# KiCad board data-center-ddr5-tester.kicad_pcb (continued)
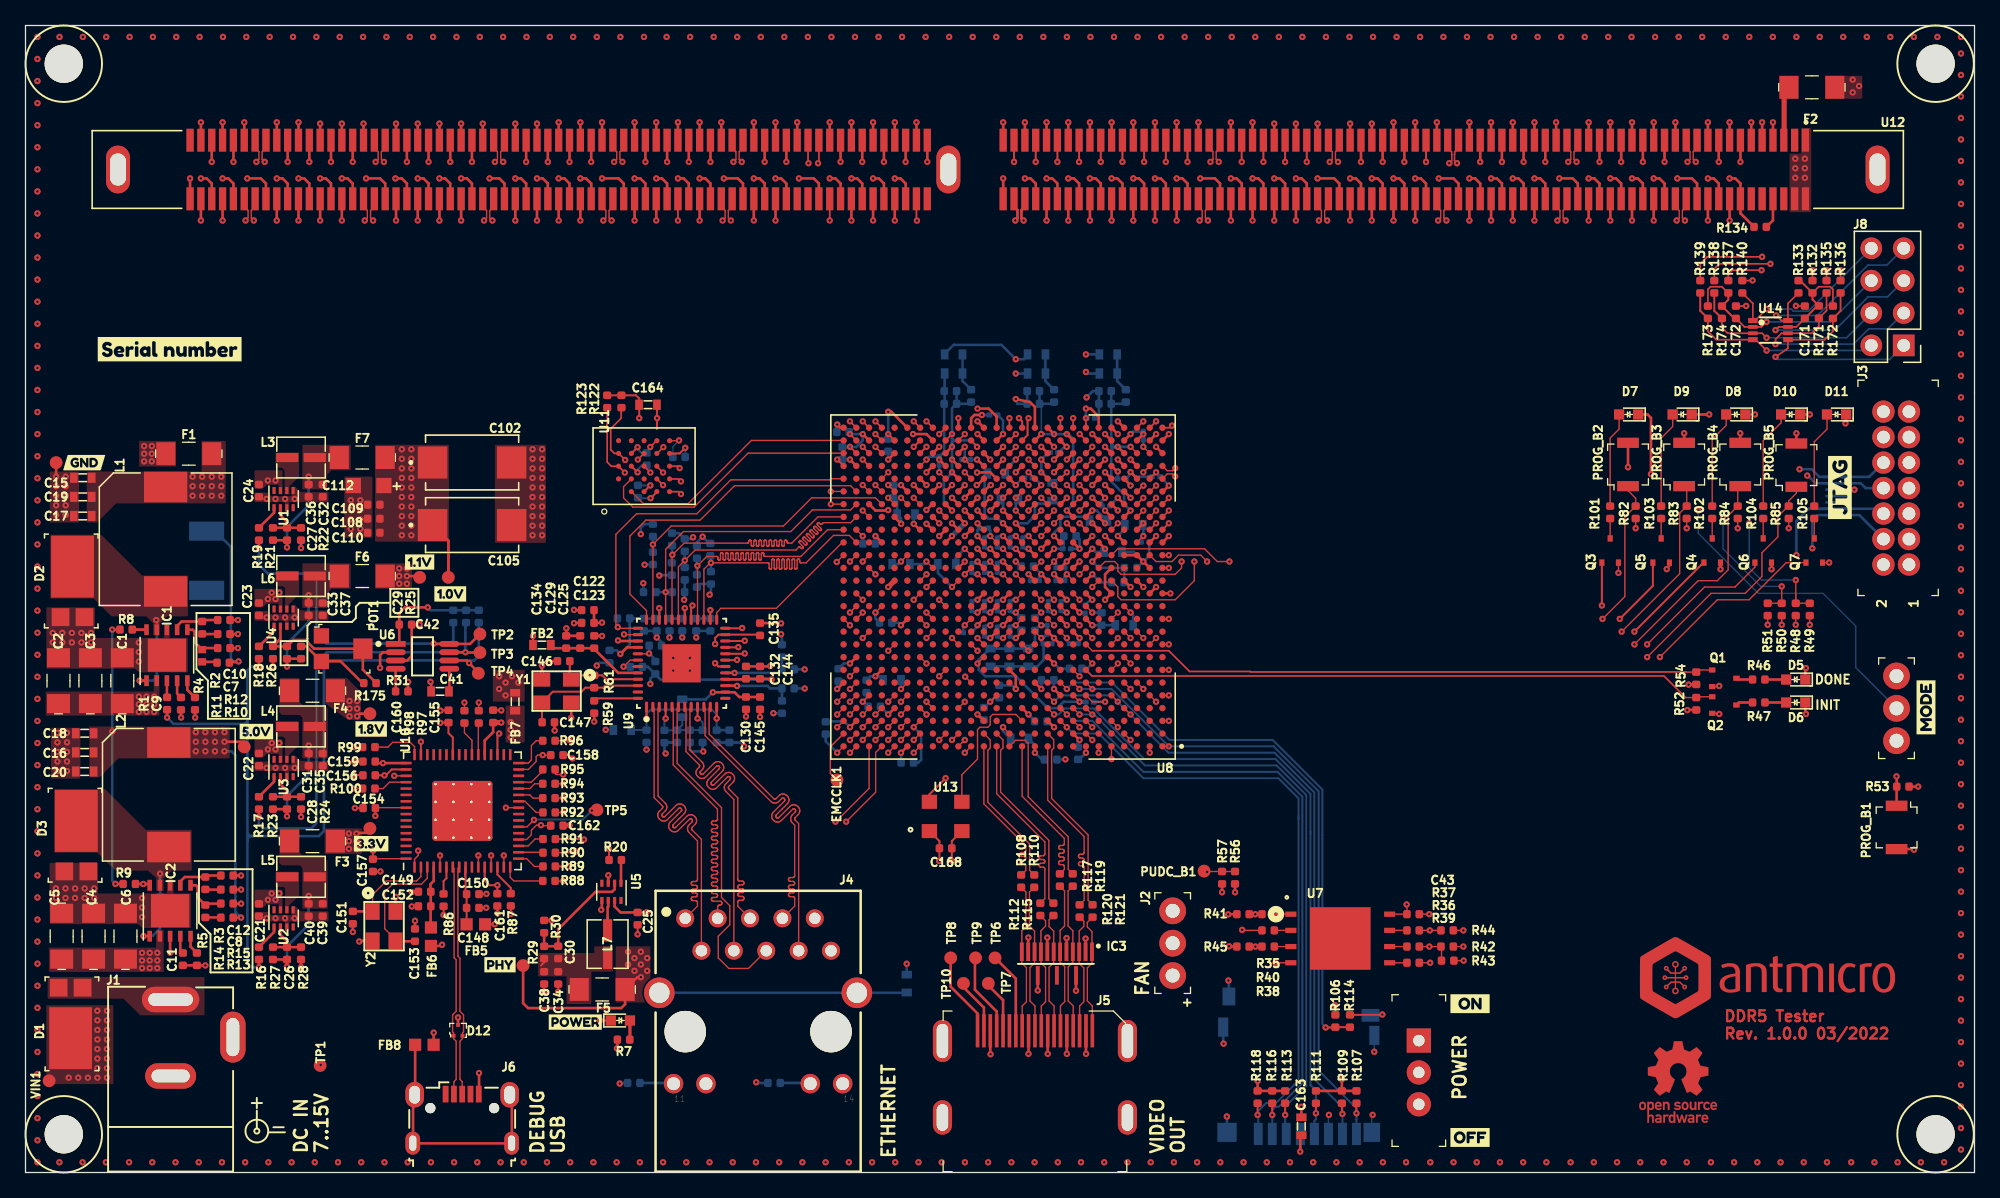
[diagram p0: board, top side]
## Routing (per net, layer and track width the routed paths; a pad name or vN(x,y) marks a point on that pad's centre or on a via; arc(x,y) is an arc through that point) (continued)
DQ31_B: length 77.3
  Top w0.2: U12.287 v1(13.75,74.7) ; U8.V16 v1(73.64,49.94)
  In7.Cu w0.127: v1(13.75,74.7) 14.22,74.22 14.24,74.2 14.26,74.18 14.26,74.15 14.26,74.12 14.26,74.09 14.24,74.07 14.22,74.05 14.12,73.94 14.1,73.92 14.09,73.9 14.09,73.87 14.09,73.84 14.09,73.81 14.1,73.79 14.12,73.76 14.14,73.75 14.17,73.73 14.2,73.73 14.23,73.73 14.25,73.73 14.28,73.75 14.3,73.76 14.4,73.87 14.43,73.88 14.45,73.9 14.48,73.9 14.51,73.9 14.54,73.9 14.56,73.88 14.58,73.87 14.6,73.84 14.61,73.82 14.62,73.79 14.62,73.76 14.61,73.73 14.6,73.71 14.58,73.69 14.48,73.58 14.46,73.56 14.45,73.54 14.45,73.51 14.45,73.48 14.45,73.45 14.46,73.43 14.48,73.4 14.5,73.39 14.53,73.37 14.56,73.37 14.59,73.37 14.61,73.37 14.64,73.39 14.66,73.4 14.76,73.51 14.79,73.52 14.81,73.54 14.84,73.54 14.87,73.54 14.9,73.54 14.92,73.52 14.94,73.51 14.96,73.48 14.97,73.46 14.98,73.43 14.98,73.4 14.97,73.37 14.96,73.35 14.94,73.33 14.84,73.22 14.82,73.2 14.81,73.18 14.8,73.15 14.8,73.12 14.81,73.09 14.82,73.07 14.84,73.04 14.86,73.03 14.89,73.01 14.92,73.01 14.95,73.01 14.97,73.01 15,73.03 15.02,73.04 15.12,73.15 15.15,73.17 15.17,73.18 15.2,73.18 15.23,73.18 15.25,73.18 15.28,73.17 15.3,73.15 15.32,73.13 15.33,73.1 15.34,73.07 15.34,73.04 15.33,73.02 15.32,72.99 15.3,72.97 15.2,72.87 15.18,72.84 15.17,72.82 15.16,72.79 15.16,72.76 15.17,72.73 15.18,72.71 15.2,72.69 15.22,72.67 15.25,72.66 15.28,72.65 15.3,72.65 15.33,72.66 15.36,72.67 15.38,72.69 15.48,72.79 15.5,72.81 15.53,72.82 15.56,72.82 15.59,72.82 15.61,72.82 15.64,72.81 15.66,72.79 15.68,72.77 15.69,72.74 15.7,72.71 15.7,72.68 15.69,72.66 15.68,72.63 15.66,72.61 15.56,72.51 15.54,72.48 15.53,72.46 15.52,72.43 15.52,72.4 15.53,72.37 15.54,72.35 15.56,72.33 15.58,72.31 15.61,72.3 15.64,72.29 15.66,72.29 15.69,72.3 15.72,72.31 15.74,72.33 15.84,72.43 15.86,72.45 15.89,72.46 15.92,72.47 15.95,72.47 15.97,72.46 16,72.45 16.02,72.43 16.04,72.41 16.05,72.38 16.06,72.35 16.06,72.32 16.05,72.3 16.04,72.27 16.02,72.25 15.92,72.15 15.9,72.12 15.89,72.1 15.88,72.07 15.88,72.04 15.89,72.02 15.9,71.99 15.92,71.97 15.94,71.95 15.97,71.94 15.99,71.93 16.02,71.93 16.05,71.94 16.08,71.95 16.1,71.97 16.2,72.07 16.22,72.09 16.25,72.1 16.28,72.11 16.3,72.11 16.33,72.1 16.36,72.09 16.38,72.07 28.51,59.94 50.39,59.94 61.89,48.44 72.14,48.44 v1(73.64,49.94)
DQS0_A_N: length 77.6
  Top w0.1: v4(130.3,79.3) 130.5,79.5 130.5,80.09 130.2,80.38 U12.12
  Top w0.2: U8.W5 v4(84.64,51.94)
  In2.Cu w0.102: v4(84.64,51.94) 85.02,51.55 85.36,51.55 85.55,51.36 86.55,51.36 87.11,50.8 87.11,49.3 87.55,48.86 113.95,48.86 120.55,55.45 120.56,55.48 120.58,55.5 120.58,55.53 120.58,55.56 120.58,55.59 120.56,55.61 120.55,55.63 120.51,55.66 120.5,55.69 120.48,55.71 120.48,55.74 120.48,55.77 120.48,55.8 120.5,55.82 120.51,55.84 120.54,55.86 120.56,55.87 120.59,55.88 120.62,55.88 120.65,55.87 120.67,55.86 120.69,55.84 120.72,55.81 120.75,55.8 120.77,55.78 120.8,55.78 120.83,55.78 120.86,55.78 120.88,55.8 120.9,55.81 130.51,65.42 130.51,75.3 130.52,75.37 130.54,75.44 130.58,75.49 130.63,75.54 130.69,75.58 130.75,75.6 130.82,75.61 131,75.61 131.02,75.61 131.04,75.62 131.06,75.63 131.08,75.65 131.09,75.67 131.09,75.69 131.1,75.71 131.09,75.74 131.09,75.76 131.08,75.78 131.06,75.79 131.04,75.8 131.02,75.81 131,75.81 130.24,75.81 130.17,75.82 130.1,75.84 130.04,75.88 129.99,75.93 129.96,75.99 129.93,76.05 129.93,76.12 129.93,76.16 129.93,76.23 129.96,76.29 129.99,76.35 130.04,76.4 130.1,76.44 130.17,76.46 130.24,76.47 131,76.47 131.02,76.47 131.04,76.48 131.06,76.49 131.08,76.51 131.09,76.53 131.09,76.55 131.1,76.57 131.09,76.59 131.09,76.62 131.08,76.63 131.06,76.65 131.04,76.66 131.02,76.67 131,76.67 130.24,76.67 130.17,76.68 130.1,76.7 130.04,76.74 129.99,76.79 129.96,76.85 129.93,76.91 129.93,76.98 129.93,77.02 129.93,77.09 129.96,77.15 129.99,77.21 130.04,77.26 130.1,77.3 130.17,77.32 130.24,77.33 131,77.33 131.02,77.33 131.04,77.34 131.06,77.35 131.08,77.37 131.09,77.39 131.09,77.41 131.1,77.43 131.09,77.45 131.09,77.47 131.08,77.49 131.06,77.51 131.04,77.52 131.02,77.53 131,77.53 130.24,77.53 130.17,77.54 130.1,77.56 130.04,77.6 129.99,77.65 129.96,77.71 129.93,77.77 129.93,77.84 129.93,77.88 129.93,77.95 129.96,78.01 129.99,78.07 130.04,78.12 130.1,78.16 130.17,78.18 130.24,78.19 130.41,78.19 130.43,78.19 130.45,78.2 130.47,78.21 130.49,78.22 130.5,78.24 130.51,78.27 130.51,78.29 130.51,79.09 v4(130.3,79.3)
DQS0_A_P: length 77.6
  Top w0.1: v4(130.95,79.3) 130.75,79.5 130.75,80.09 131.05,80.38 U12.11
  Top w0.2: U8.W6 v4(84.64,50.94)
  In2.Cu w0.102: v4(84.64,50.94) 85.02,51.33 85.26,51.33 85.45,51.14 86.45,51.14 86.89,50.7 86.89,49.2 87.45,48.64 114.05,48.64 130.74,65.33 130.74,75.28 130.74,75.31 130.75,75.33 130.76,75.35 130.78,75.36 130.8,75.37 130.82,75.38 130.84,75.38 131.01,75.38 131.08,75.39 131.15,75.42 131.21,75.45 131.26,75.5 131.29,75.56 131.32,75.62 131.32,75.69 131.32,75.73 131.32,75.8 131.29,75.87 131.26,75.92 131.21,75.97 131.15,76.01 131.08,76.03 131.01,76.04 130.25,76.04 130.23,76.04 130.21,76.05 130.19,76.06 130.17,76.08 130.16,76.1 130.16,76.12 130.15,76.14 130.16,76.16 130.16,76.19 130.17,76.21 130.19,76.22 130.21,76.23 130.23,76.24 130.25,76.24 131.01,76.24 131.08,76.25 131.15,76.27 131.21,76.31 131.26,76.36 131.29,76.42 131.32,76.48 131.32,76.55 131.32,76.59 131.32,76.66 131.29,76.72 131.26,76.78 131.21,76.83 131.15,76.87 131.08,76.89 131.01,76.9 130.25,76.9 130.23,76.9 130.21,76.91 130.19,76.92 130.17,76.94 130.16,76.96 130.16,76.98 130.15,77 130.16,77.02 130.16,77.04 130.17,77.06 130.19,77.08 130.21,77.09 130.23,77.1 130.25,77.1 131.01,77.1 131.08,77.11 131.15,77.13 131.21,77.17 131.26,77.22 131.29,77.28 131.32,77.34 131.32,77.41 131.32,77.45 131.32,77.52 131.29,77.58 131.26,77.64 131.21,77.69 131.15,77.73 131.08,77.75 131.01,77.76 130.25,77.76 130.23,77.76 130.21,77.77 130.19,77.78 130.17,77.8 130.16,77.81 130.16,77.84 130.15,77.86 130.16,77.88 130.16,77.9 130.17,77.92 130.19,77.94 130.21,77.95 130.23,77.96 130.25,77.96 130.43,77.96 130.5,77.97 130.56,77.99 130.62,78.03 130.67,78.08 130.71,78.14 130.73,78.2 130.74,78.27 130.74,79.09 v4(130.95,79.3)
DQS0_B_N: length 57.1
  Top w0.1: v4(46.15,79.3) 46.35,79.5 46.35,80.09 46.05,80.38 U12.105
  Top w0.127: U8.AF18 v4(71.64,57.94)
  In2.Cu w0.102: v4(71.64,57.94) 72.02,58.33 72.02,61.82 70.7,63.14 47.45,63.14 46.36,64.23 46.36,74.92 46.37,74.99 46.39,75.05 46.43,75.11 46.48,75.16 46.54,75.2 46.6,75.22 46.67,75.23 46.9,75.23 46.92,75.23 46.95,75.24 46.96,75.25 46.98,75.26 46.99,75.28 47,75.31 47,75.33 47,75.35 46.99,75.37 46.98,75.39 46.96,75.41 46.95,75.42 46.92,75.43 46.9,75.43 46.03,75.43 45.96,75.44 45.9,75.46 45.84,75.5 45.79,75.55 45.75,75.6 45.73,75.67 45.72,75.74 45.72,75.78 45.73,75.84 45.75,75.91 45.79,75.97 45.84,76.02 45.9,76.05 45.96,76.08 46.03,76.08 46.9,76.08 46.92,76.09 46.95,76.09 46.96,76.11 46.98,76.12 46.99,76.14 47,76.16 47,76.19 47,76.21 46.99,76.23 46.98,76.25 46.96,76.27 46.95,76.28 46.92,76.29 46.9,76.29 46.03,76.29 45.96,76.3 45.9,76.32 45.84,76.36 45.79,76.4 45.75,76.46 45.73,76.53 45.72,76.6 45.72,76.63 45.73,76.7 45.75,76.77 45.79,76.83 45.84,76.88 45.9,76.91 45.96,76.94 46.03,76.94 46.9,76.94 46.92,76.95 46.95,76.95 46.96,76.97 46.98,76.98 46.99,77 47,77.02 47,77.04 47,77.07 46.99,77.09 46.98,77.11 46.96,77.12 46.95,77.14 46.92,77.14 46.9,77.15 46.03,77.15 45.96,77.15 45.9,77.18 45.84,77.21 45.79,77.26 45.75,77.32 45.73,77.39 45.72,77.46 45.72,77.49 45.73,77.56 45.75,77.63 45.79,77.69 45.84,77.73 45.9,77.77 45.96,77.79 46.03,77.8 46.9,77.8 46.92,77.8 46.95,77.81 46.96,77.82 46.98,77.84 46.99,77.86 47,77.88 47,77.9 47,77.93 46.99,77.95 46.98,77.97 46.96,77.98 46.95,77.99 46.92,78 46.9,78.01 46.03,78.01 45.96,78.01 45.9,78.04 45.84,78.07 45.79,78.12 45.75,78.18 45.73,78.25 45.72,78.31 45.72,78.35 45.73,78.42 45.75,78.49 45.79,78.54 45.84,78.59 45.9,78.63 45.96,78.65 46.03,78.66 46.26,78.66 46.28,78.66 46.3,78.67 46.32,78.68 46.34,78.7 46.35,78.72 46.36,78.74 46.36,78.76 46.36,79.09 v4(46.15,79.3)
DQS0_B_P: length 57.1
  Top w0.1: v4(46.8,79.3) 46.6,79.5 46.6,80.09 46.9,80.38 U12.104
  Top w0.127: U8.AE18 v4(72.64,57.94)
  In2.Cu w0.102: v4(72.64,57.94) 72.25,58.33 72.25,61.91 70.8,63.36 47.55,63.36 46.59,64.32 46.59,74.9 46.59,74.92 46.6,74.94 46.61,74.96 46.63,74.98 46.65,74.99 46.67,75 46.69,75 46.92,75 46.99,75.01 47.05,75.03 47.11,75.07 47.16,75.12 47.2,75.18 47.22,75.24 47.23,75.31 47.23,75.35 47.22,75.42 47.2,75.48 47.16,75.54 47.11,75.59 47.05,75.62 46.99,75.65 46.92,75.66 46.05,75.66 46.03,75.66 46,75.67 45.99,75.68 45.97,75.69 45.96,75.71 45.95,75.73 45.95,75.76 45.95,75.78 45.96,75.8 45.97,75.82 45.99,75.84 46,75.85 46.03,75.86 46.05,75.86 46.92,75.86 46.99,75.87 47.05,75.89 47.11,75.93 47.16,75.97 47.2,76.03 47.22,76.1 47.23,76.17 47.23,76.21 47.22,76.27 47.2,76.34 47.16,76.4 47.11,76.45 47.05,76.48 46.99,76.51 46.92,76.51 46.05,76.51 46.03,76.52 46,76.52 45.99,76.54 45.97,76.55 45.96,76.57 45.95,76.59 45.95,76.62 45.95,76.64 45.96,76.66 45.97,76.68 45.99,76.7 46,76.71 46.03,76.71 46.05,76.72 46.92,76.72 46.99,76.73 47.05,76.75 47.11,76.78 47.16,76.83 47.2,76.89 47.22,76.96 47.23,77.03 47.23,77.06 47.22,77.13 47.2,77.2 47.16,77.26 47.11,77.31 47.05,77.34 46.99,77.36 46.92,77.37 46.05,77.37 46.03,77.38 46,77.38 45.99,77.39 45.97,77.41 45.96,77.43 45.95,77.45 45.95,77.47 45.95,77.5 45.96,77.52 45.97,77.54 45.99,77.55 46,77.57 46.03,77.57 46.05,77.58 46.92,77.58 46.99,77.58 47.05,77.61 47.11,77.64 47.16,77.69 47.2,77.75 47.22,77.82 47.23,77.88 47.23,77.92 47.22,77.99 47.2,78.06 47.16,78.11 47.11,78.16 47.05,78.2 46.99,78.22 46.92,78.23 46.05,78.23 46.03,78.23 46,78.24 45.99,78.25 45.97,78.27 45.96,78.29 45.95,78.31 45.95,78.33 45.95,78.36 45.96,78.38 45.97,78.4 45.99,78.41 46,78.42 46.03,78.43 46.05,78.43 46.28,78.43 46.35,78.44 46.41,78.46 46.47,78.5 46.52,78.55 46.56,78.61 46.58,78.67 46.59,78.74 46.59,79.09 v4(46.8,79.3)
DQS1_A_N: length 72.7
  Top w0.1: U12.23 120.85,80.38 121.15,80.09 121.15,79.5 v3(120.95,79.3) ; U8.AC1 89.51,55.06 89.94,55.06 v3(90.14,55.26)
  In5.Cu w0.102: v3(120.95,79.3) 121.16,79.09 121.16,77.86 121.16,77.84 121.15,77.82 121.14,77.8 121.12,77.78 121.1,77.77 121.08,77.76 121.06,77.76 120.93,77.76 120.86,77.75 120.79,77.73 120.74,77.69 120.69,77.64 120.65,77.59 120.63,77.52 120.62,77.45 120.62,77.41 120.63,77.35 120.65,77.28 120.69,77.22 120.74,77.17 120.79,77.14 120.86,77.11 120.93,77.11 121.28,77.11 121.6,77.11 121.63,77.1 121.65,77.1 121.67,77.08 121.68,77.07 121.69,77.05 121.7,77.03 121.7,77 121.7,76.98 121.69,76.96 121.68,76.94 121.67,76.92 121.65,76.91 121.63,76.9 121.6,76.9 120.93,76.9 120.86,76.89 120.79,76.87 120.74,76.83 120.69,76.79 120.65,76.73 120.63,76.66 120.62,76.59 120.62,76.56 120.63,76.49 120.65,76.42 120.69,76.36 120.74,76.31 120.79,76.28 120.86,76.25 120.93,76.25 121.6,76.25 121.63,76.24 121.65,76.24 121.67,76.22 121.68,76.21 121.69,76.19 121.7,76.17 121.7,76.14 121.7,76.12 121.69,76.1 121.68,76.08 121.67,76.07 121.65,76.05 121.63,76.05 121.6,76.04 120.93,76.04 120.86,76.04 120.79,76.01 120.74,75.98 120.69,75.93 120.65,75.87 120.63,75.8 120.62,75.73 120.62,75.7 120.63,75.63 120.65,75.56 120.69,75.5 120.74,75.46 120.79,75.42 120.86,75.4 120.93,75.39 121.06,75.39 121.08,75.39 121.1,75.38 121.12,75.37 121.14,75.35 121.15,75.33 121.16,75.31 121.16,75.29 121.16,74.16 121.16,74.14 121.15,74.12 121.14,74.11 121.13,74.09 121.11,74.08 121.09,74.08 121.07,74.08 120.94,74.08 120.88,74.07 120.82,74.05 120.76,74.01 120.71,73.96 120.68,73.91 120.66,73.85 120.65,73.78 120.65,73.71 120.66,73.65 120.68,73.59 120.71,73.53 120.76,73.48 120.82,73.45 120.88,73.43 120.94,73.42 121.59,73.42 121.61,73.42 121.63,73.41 121.64,73.4 121.66,73.39 121.67,73.37 121.67,73.35 121.68,73.33 121.68,73.3 121.67,73.28 121.67,73.27 121.66,73.25 121.64,73.24 121.63,73.23 121.61,73.22 121.59,73.22 120.94,73.22 120.88,73.21 120.82,73.19 120.76,73.15 120.71,73.11 120.68,73.05 120.66,72.99 120.65,72.92 120.65,72.86 120.66,72.79 120.68,72.73 120.71,72.67 120.76,72.63 120.82,72.59 120.88,72.57 120.94,72.56 121.59,72.56 121.61,72.56 121.63,72.55 121.64,72.54 121.66,72.53 121.67,72.51 121.67,72.49 121.68,72.47 121.68,72.44 121.67,72.43 121.67,72.41 121.66,72.39 121.64,72.38 121.63,72.37 121.61,72.36 121.59,72.36 120.94,72.36 120.88,72.35 120.82,72.33 120.76,72.29 120.71,72.25 120.68,72.19 120.66,72.13 120.65,72.06 120.65,72 120.66,71.93 120.68,71.87 120.71,71.81 120.76,71.77 120.82,71.73 120.88,71.71 120.94,71.7 121.59,71.7 121.61,71.7 121.63,71.69 121.64,71.68 121.66,71.67 121.67,71.65 121.67,71.64 121.68,71.62 121.68,71.59 121.67,71.57 121.67,71.55 121.66,71.53 121.64,71.52 121.63,71.51 121.61,71.5 121.59,71.5 120.94,71.5 120.88,71.49 120.82,71.47 120.76,71.44 120.71,71.39 120.68,71.33 120.66,71.27 120.65,71.2 120.65,71.14 120.66,71.07 120.68,71.01 120.71,70.96 120.76,70.91 120.82,70.87 120.88,70.85 120.94,70.84 121.59,70.84 121.61,70.84 121.63,70.84 121.64,70.83 121.66,70.81 121.67,70.79 121.67,70.78 121.68,70.76 121.68,70.73 121.67,70.71 121.67,70.69 121.66,70.67 121.64,70.66 121.63,70.65 121.61,70.64 121.59,70.64 120.94,70.64 120.88,70.63 120.82,70.61 120.76,70.58 120.71,70.53 120.68,70.47 120.66,70.41 120.65,70.35 120.65,70.28 120.66,70.21 120.68,70.15 120.71,70.1 120.76,70.05 120.82,70.01 120.88,69.99 120.94,69.99 121.59,69.99 121.61,69.98 121.63,69.98 121.64,69.97 121.66,69.95 121.67,69.94 121.67,69.92 121.68,69.9 121.68,69.87 121.67,69.85 121.67,69.83 121.66,69.82 121.64,69.8 121.63,69.79 121.61,69.78 121.59,69.78 120.94,69.78 120.88,69.78 120.82,69.75 120.76,69.72 120.71,69.67 120.68,69.62 120.66,69.55 120.65,69.49 120.65,69.42 120.66,69.36 120.68,69.29 120.71,69.24 120.76,69.19 120.82,69.16 120.88,69.13 120.94,69.13 121.59,69.13 121.61,69.12 121.63,69.12 121.64,69.11 121.66,69.09 121.67,69.08 121.67,69.06 121.68,69.04 121.68,69.01 121.67,68.99 121.67,68.97 121.66,68.96 121.64,68.94 121.63,68.93 121.61,68.93 121.59,68.92 120.94,68.92 120.88,68.92 120.82,68.89 120.76,68.86 120.71,68.81 120.68,68.76 120.66,68.69 120.65,68.63 120.65,68.56 120.66,68.5 120.68,68.44 120.71,68.38 120.76,68.33 120.82,68.3 120.88,68.28 120.94,68.27 121.59,68.27 121.61,68.27 121.63,68.26 121.64,68.25 121.66,68.24 121.67,68.22 121.67,68.2 121.68,68.18 121.68,68.15 121.67,68.13 121.67,68.11 121.66,68.1 121.64,68.08 121.63,68.07 121.61,68.07 121.59,68.07 120.94,68.07 120.88,68.06 120.82,68.04 120.76,68 120.71,67.95 120.68,67.9 120.66,67.84 120.65,67.77 120.65,67.7 120.66,67.64 120.68,67.58 120.71,67.52 120.76,67.47 120.82,67.44 120.88,67.42 120.94,67.41 121.59,67.41 121.61,67.41 121.63,67.4 121.64,67.39 121.66,67.38 121.67,67.36 121.67,67.34 121.68,67.32 121.68,67.29 121.67,67.27 121.67,67.26 121.66,67.24 121.64,67.23 121.63,67.22 121.61,67.21 121.59,67.21 120.94,67.21 120.88,67.2 120.82,67.18 120.76,67.14 120.71,67.1 120.68,67.04 120.66,66.98 120.65,66.91 120.65,66.85 120.66,66.78 120.68,66.72 120.71,66.66 120.76,66.62 120.82,66.58 120.88,66.56 120.94,66.55 121.07,66.55 121.09,66.55 121.11,66.54 121.13,66.53 121.14,66.52 121.15,66.5 121.16,66.48 121.16,66.46 121.16,63.82 116.51,59.17 116.49,59.15 116.47,59.14 116.45,59.14 116.42,59.14 116.4,59.14 116.38,59.15 116.36,59.17 116.31,59.22 116.3,59.23 116.27,59.24 116.25,59.25 116.23,59.25 116.21,59.24 116.19,59.23 116.17,59.22 116.16,59.2 116.15,59.18 116.14,59.16 116.14,59.13 116.15,59.11 116.16,59.09 116.17,59.07 116.22,59.02 116.23,59.01 116.24,58.99 116.25,58.96 116.25,58.94 116.24,58.92 116.23,58.9 116.22,58.88 112.39,55.05 90.35,55.05 v3(90.14,55.26)
DQS1_A_P: length 72.7
  Top w0.1: v3(121.6,79.3) 121.4,79.5 121.4,80.09 121.7,80.38 U12.22 ; U8.AB1 89.51,54.81 89.94,54.81 v3(90.14,54.61)
  In5.Cu w0.102: v3(90.14,54.61) 90.35,54.83 112.49,54.83 121.39,63.73 121.39,66.48 121.38,66.55 121.36,66.61 121.32,66.67 121.28,66.71 121.22,66.75 121.16,66.77 121.09,66.78 120.96,66.78 120.94,66.78 120.92,66.79 120.91,66.8 120.89,66.81 120.88,66.83 120.88,66.85 120.88,66.86 120.88,66.89 120.88,66.91 120.88,66.93 120.89,66.95 120.91,66.96 120.92,66.97 120.94,66.98 120.96,66.98 121.61,66.98 121.67,66.99 121.73,67.01 121.79,67.05 121.84,67.09 121.87,67.15 121.89,67.21 121.9,67.28 121.9,67.34 121.89,67.41 121.87,67.47 121.84,67.53 121.79,67.57 121.73,67.61 121.67,67.63 121.61,67.64 120.96,67.64 120.94,67.64 120.92,67.64 120.91,67.66 120.89,67.67 120.88,67.69 120.88,67.7 120.88,67.72 120.88,67.75 120.88,67.77 120.88,67.79 120.89,67.81 120.91,67.82 120.92,67.83 120.94,67.84 120.96,67.84 121.61,67.84 121.67,67.85 121.73,67.87 121.79,67.9 121.84,67.95 121.87,68.01 121.89,68.07 121.9,68.13 121.9,68.2 121.89,68.27 121.87,68.33 121.84,68.38 121.79,68.43 121.73,68.47 121.67,68.49 121.61,68.49 120.96,68.49 120.94,68.5 120.92,68.5 120.91,68.51 120.89,68.53 120.88,68.54 120.88,68.56 120.88,68.58 120.88,68.61 120.88,68.63 120.88,68.65 120.89,68.67 120.91,68.68 120.92,68.69 120.94,68.7 120.96,68.7 121.61,68.7 121.67,68.71 121.73,68.73 121.79,68.76 121.84,68.81 121.87,68.86 121.89,68.93 121.9,68.99 121.9,69.06 121.89,69.12 121.87,69.19 121.84,69.24 121.79,69.29 121.73,69.32 121.67,69.35 121.61,69.35 120.96,69.35 120.94,69.36 120.92,69.36 120.91,69.37 120.89,69.39 120.88,69.4 120.88,69.42 120.88,69.44 120.88,69.47 120.88,69.49 120.88,69.51 120.89,69.52 120.91,69.54 120.92,69.55 120.94,69.55 120.96,69.56 121.61,69.56 121.67,69.56 121.73,69.59 121.79,69.62 121.84,69.67 121.87,69.72 121.89,69.79 121.9,69.85 121.9,69.92 121.89,69.98 121.87,70.04 121.84,70.1 121.79,70.15 121.73,70.18 121.67,70.2 121.61,70.21 120.96,70.21 120.94,70.21 120.92,70.22 120.91,70.23 120.89,70.24 120.88,70.26 120.88,70.28 120.88,70.3 120.88,70.33 120.88,70.35 120.88,70.37 120.89,70.38 120.91,70.4 120.92,70.41 120.94,70.41 120.96,70.41 121.61,70.41 121.67,70.42 121.73,70.44 121.79,70.48 121.84,70.53 121.87,70.58 121.89,70.64 121.9,70.71 121.9,70.78 121.89,70.84 121.87,70.9 121.84,70.96 121.79,71.01 121.73,71.04 121.67,71.06 121.61,71.07 120.96,71.07 120.94,71.07 120.92,71.08 120.91,71.09 120.89,71.1 120.88,71.12 120.88,71.14 120.88,71.16 120.88,71.19 120.88,71.21 120.88,71.22 120.89,71.24 120.91,71.25 120.92,71.26 120.94,71.27 120.96,71.27 121.61,71.27 121.67,71.28 121.73,71.3 121.79,71.34 121.84,71.38 121.87,71.44 121.89,71.5 121.9,71.57 121.9,71.63 121.89,71.7 121.87,71.76 121.84,71.82 121.79,71.86 121.73,71.9 121.67,71.92 121.61,71.93 120.96,71.93 120.94,71.93 120.92,71.94 120.91,71.95 120.89,71.96 120.88,71.98 120.88,72 120.88,72.02 120.88,72.04 120.88,72.06 120.88,72.08 120.89,72.1 120.91,72.11 120.92,72.12 120.94,72.13 120.96,72.13 121.61,72.13 121.67,72.14 121.73,72.16 121.79,72.2 121.84,72.24 121.87,72.3 121.89,72.36 121.9,72.43 121.9,72.49 121.89,72.56 121.87,72.62 121.84,72.68 121.79,72.72 121.73,72.76 121.67,72.78 121.61,72.79 120.96,72.79 120.94,72.79 120.92,72.8 120.91,72.81 120.89,72.82 120.88,72.84 120.88,72.85 120.88,72.87 120.88,72.9 120.88,72.92 120.88,72.94 120.89,72.96 120.91,72.97 120.92,72.98 120.94,72.99 120.96,72.99 121.61,72.99 121.67,73 121.73,73.02 121.79,73.05 121.84,73.1 121.87,73.16 121.89,73.22 121.9,73.29 121.9,73.35 121.89,73.42 121.87,73.48 121.84,73.53 121.79,73.58 121.73,73.62 121.67,73.64 121.61,73.65 120.96,73.65 120.94,73.65 120.92,73.65 120.91,73.66 120.89,73.68 120.88,73.69 120.88,73.71 120.88,73.73 120.88,73.76 120.88,73.78 120.88,73.8 120.89,73.82 120.91,73.83 120.92,73.84 120.94,73.85 120.96,73.85 121.09,73.85 121.16,73.86 121.22,73.88 121.28,73.91 121.32,73.96 121.36,74.02 121.38,74.08 121.39,74.14 121.39,75.31 121.38,75.37 121.36,75.44 121.32,75.5 121.27,75.55 121.21,75.58 121.15,75.61 121.08,75.61 120.95,75.61 120.92,75.62 120.9,75.62 120.88,75.64 120.87,75.65 120.86,75.67 120.85,75.69 120.85,75.72 120.85,75.74 120.86,75.76 120.87,75.78 120.88,75.8 120.9,75.81 120.92,75.81 120.95,75.82 121.62,75.82 121.69,75.83 121.76,75.85 121.81,75.88 121.86,75.93 121.9,75.99 121.92,76.06 121.93,76.13 121.93,76.16 121.92,76.23 121.9,76.3 121.86,76.36 121.81,76.41 121.76,76.44 121.69,76.46 121.62,76.47 120.95,76.47 120.92,76.48 120.9,76.48 120.88,76.49 120.87,76.51 120.86,76.53 120.85,76.55 120.85,76.57 120.85,76.6 120.86,76.62 120.87,76.64 120.88,76.65 120.9,76.67 120.92,76.67 120.95,76.68 121.62,76.68 121.69,76.68 121.76,76.71 121.81,76.74 121.86,76.79 121.9,76.85 121.92,76.92 121.93,76.98 121.93,77.02 121.92,77.09 121.9,77.16 121.86,77.21 121.81,77.26 121.76,77.3 121.69,77.32 121.62,77.33 121.28,77.33 120.95,77.33 120.92,77.33 120.9,77.34 120.88,77.35 120.87,77.37 120.86,77.39 120.85,77.41 120.85,77.43 120.85,77.46 120.86,77.48 120.87,77.5 120.88,77.51 120.9,77.52 120.92,77.53 120.95,77.53 121.08,77.53 121.15,77.54 121.21,77.57 121.27,77.6 121.32,77.65 121.36,77.71 121.38,77.77 121.39,77.84 121.39,79.09 v3(121.6,79.3)
DQS1_B_N: length 61.5
  Top w0.1: v1(36.8,79.3) 37,79.5 37,80.09 36.7,80.38 U12.116
  Top w0.2: U8.Y16 v1(74.64,52.94)
  In7.Cu w0.102: v1(74.64,52.94) 75.02,53.33 75.02,57.82 64.2,68.64 37.95,68.64 37.01,69.58 37.01,76.26 37.01,76.29 37,76.32 36.98,76.34 36.96,76.36 36.93,76.38 36.9,76.39 36.87,76.39 36.59,76.39 36.51,76.4 36.44,76.43 36.37,76.47 36.32,76.52 36.28,76.59 36.25,76.66 36.24,76.74 36.24,76.78 36.25,76.86 36.28,76.93 36.32,76.99 36.37,77.05 36.44,77.09 36.51,77.11 36.59,77.12 36.87,77.12 36.9,77.13 36.93,77.14 36.96,77.15 36.98,77.18 37,77.2 37.01,77.23 37.01,77.26 37.01,79.09 v1(36.8,79.3)
DQS1_B_P: length 61.5
  Top w0.1: v1(37.45,79.3) 37.25,79.5 37.25,80.09 37.55,80.38 U12.115
  Top w0.2: U8.Y15 v1(75.64,52.94)
  In7.Cu w0.102: v1(75.64,52.94) 75.25,53.33 75.25,57.91 64.3,68.86 38.05,68.86 37.24,69.67 37.24,76.28 37.23,76.35 37.2,76.43 37.16,76.49 37.11,76.55 37.04,76.59 36.97,76.61 36.89,76.62 36.61,76.62 36.58,76.62 36.55,76.63 36.52,76.65 36.5,76.67 36.48,76.7 36.47,76.73 36.47,76.76 36.47,76.79 36.48,76.82 36.5,76.85 36.52,76.87 36.55,76.88 36.58,76.89 36.61,76.9 36.89,76.9 36.97,76.91 37.04,76.93 37.11,76.97 37.16,77.03 37.2,77.09 37.23,77.16 37.24,77.24 37.24,79.09 v1(37.45,79.3)
DQS2_A_N: length 66.6
  Top w0.114: U12.34 111.5,80.38 111.81,80.08 111.81,79.89 111.82,79.89 111.82,79.38 v1(111.62,79.19)
  Top w0.2: U8.AB5 v1(84.64,54.94)
  In7.Cu w0.102: v1(84.64,54.94) 85.02,54.55 108.64,54.55 110,55.9 110.01,55.92 110.02,55.94 110.02,55.97 110.02,55.99 110.02,56.01 110.01,56.03 110,56.05 109.94,56.1 109.93,56.12 109.92,56.14 109.92,56.16 109.92,56.18 109.92,56.2 109.93,56.23 109.94,56.24 109.96,56.26 109.98,56.27 110,56.27 110.03,56.27 110.05,56.27 110.07,56.26 110.09,56.24 110.14,56.19 110.16,56.18 110.18,56.17 110.2,56.16 110.22,56.16 110.24,56.17 110.26,56.18 110.28,56.19 111.81,57.72 111.81,69.75 111.81,69.77 111.8,69.79 111.79,69.8 111.78,69.82 111.76,69.83 111.74,69.83 111.72,69.84 111.59,69.84 111.53,69.84 111.47,69.86 111.41,69.9 111.36,69.95 111.33,70 111.31,70.06 111.3,70.13 111.3,70.2 111.31,70.26 111.33,70.32 111.36,70.38 111.41,70.43 111.47,70.46 111.53,70.48 111.59,70.49 112.24,70.49 112.26,70.49 112.28,70.5 112.29,70.51 112.31,70.52 112.32,70.54 112.32,70.56 112.32,70.58 112.32,70.61 112.32,70.63 112.32,70.64 112.31,70.66 112.29,70.68 112.28,70.69 112.26,70.69 112.24,70.69 111.59,70.69 111.53,70.7 111.47,70.72 111.41,70.76 111.36,70.81 111.33,70.86 111.31,70.92 111.3,70.99 111.3,71.05 111.31,71.12 111.33,71.18 111.36,71.24 111.41,71.29 111.47,71.32 111.53,71.34 111.59,71.35 112.24,71.35 112.26,71.35 112.28,71.36 112.29,71.37 112.31,71.38 112.32,71.4 112.32,71.42 112.32,71.44 112.32,71.47 112.32,71.49 112.32,71.5 112.31,71.52 112.29,71.53 112.28,71.54 112.26,71.55 112.24,71.55 111.59,71.55 111.53,71.56 111.47,71.58 111.41,71.62 111.36,71.66 111.33,71.72 111.31,71.78 111.3,71.85 111.3,71.91 111.31,71.98 111.33,72.04 111.36,72.1 111.41,72.14 111.47,72.18 111.53,72.2 111.59,72.21 112.24,72.21 112.26,72.21 112.28,72.22 112.29,72.23 112.31,72.24 112.32,72.26 112.32,72.28 112.32,72.29 112.32,72.32 112.32,72.34 112.32,72.36 112.31,72.38 112.29,72.39 112.28,72.4 112.26,72.41 112.24,72.41 111.59,72.41 111.53,72.42 111.47,72.44 111.41,72.48 111.36,72.52 111.33,72.58 111.31,72.64 111.3,72.71 111.3,72.77 111.31,72.84 111.33,72.9 111.36,72.96 111.41,73 111.47,73.04 111.53,73.06 111.59,73.07 112.24,73.07 112.26,73.07 112.28,73.08 112.29,73.09 112.31,73.1 112.32,73.12 112.32,73.13 112.32,73.15 112.32,73.18 112.32,73.2 112.32,73.22 112.31,73.24 112.29,73.25 112.28,73.26 112.26,73.27 112.24,73.27 111.59,73.27 111.53,73.28 111.47,73.3 111.41,73.33 111.36,73.38 111.33,73.44 111.31,73.5 111.3,73.56 111.3,73.63 111.31,73.7 111.33,73.76 111.36,73.81 111.41,73.86 111.47,73.9 111.53,73.92 111.59,73.92 111.72,73.92 111.74,73.93 111.76,73.93 111.78,73.94 111.79,73.96 111.8,73.97 111.81,73.99 111.81,74.01 111.81,75.6 111.82,75.67 111.84,75.74 111.88,75.79 111.93,75.84 111.99,75.88 112.05,75.9 112.12,75.91 112.29,75.91 112.31,75.91 112.33,75.92 112.35,75.93 112.37,75.95 112.38,75.97 112.39,75.99 112.39,76.01 112.39,76.04 112.38,76.06 112.37,76.08 112.35,76.09 112.33,76.1 112.31,76.11 112.29,76.11 111.54,76.11 111.47,76.12 111.41,76.14 111.35,76.18 111.3,76.23 111.26,76.29 111.24,76.35 111.23,76.42 111.23,76.46 111.24,76.53 111.26,76.59 111.3,76.65 111.35,76.7 111.41,76.74 111.47,76.76 111.54,76.77 112.29,76.77 112.31,76.77 112.33,76.78 112.35,76.79 112.37,76.81 112.38,76.83 112.39,76.85 112.39,76.87 112.39,76.89 112.38,76.92 112.37,76.93 112.35,76.95 112.33,76.96 112.31,76.97 112.29,76.97 111.54,76.97 111.47,76.98 111.41,77 111.35,77.04 111.3,77.09 111.26,77.15 111.24,77.21 111.23,77.28 111.23,77.32 111.24,77.39 111.26,77.45 111.3,77.51 111.35,77.56 111.41,77.6 111.47,77.62 111.54,77.63 112.29,77.63 112.31,77.63 112.33,77.64 112.35,77.65 112.37,77.67 112.38,77.69 112.39,77.71 112.39,77.73 112.39,77.75 112.38,77.77 112.37,77.79 112.35,77.81 112.33,77.82 112.31,77.83 112.29,77.83 111.54,77.83 111.47,77.84 111.41,77.86 111.35,77.9 111.3,77.95 111.26,78.01 111.24,78.07 111.23,78.14 111.23,78.18 111.24,78.25 111.26,78.31 111.3,78.37 111.35,78.42 111.41,78.46 111.47,78.48 111.54,78.49 111.71,78.49 111.73,78.49 111.75,78.5 111.77,78.51 111.79,78.52 111.8,78.54 111.81,78.57 111.81,78.59 111.81,79 v1(111.62,79.19)
DQS2_A_P: length 66.6
  Top w0.114: v1(112.23,79.19) 112.03,79.38 112.03,79.89 112.04,79.89 112.04,80.08 112.35,80.38 U12.33